# Altium PCB PCB1.PcbDoc (part 1 of 3) (continued)
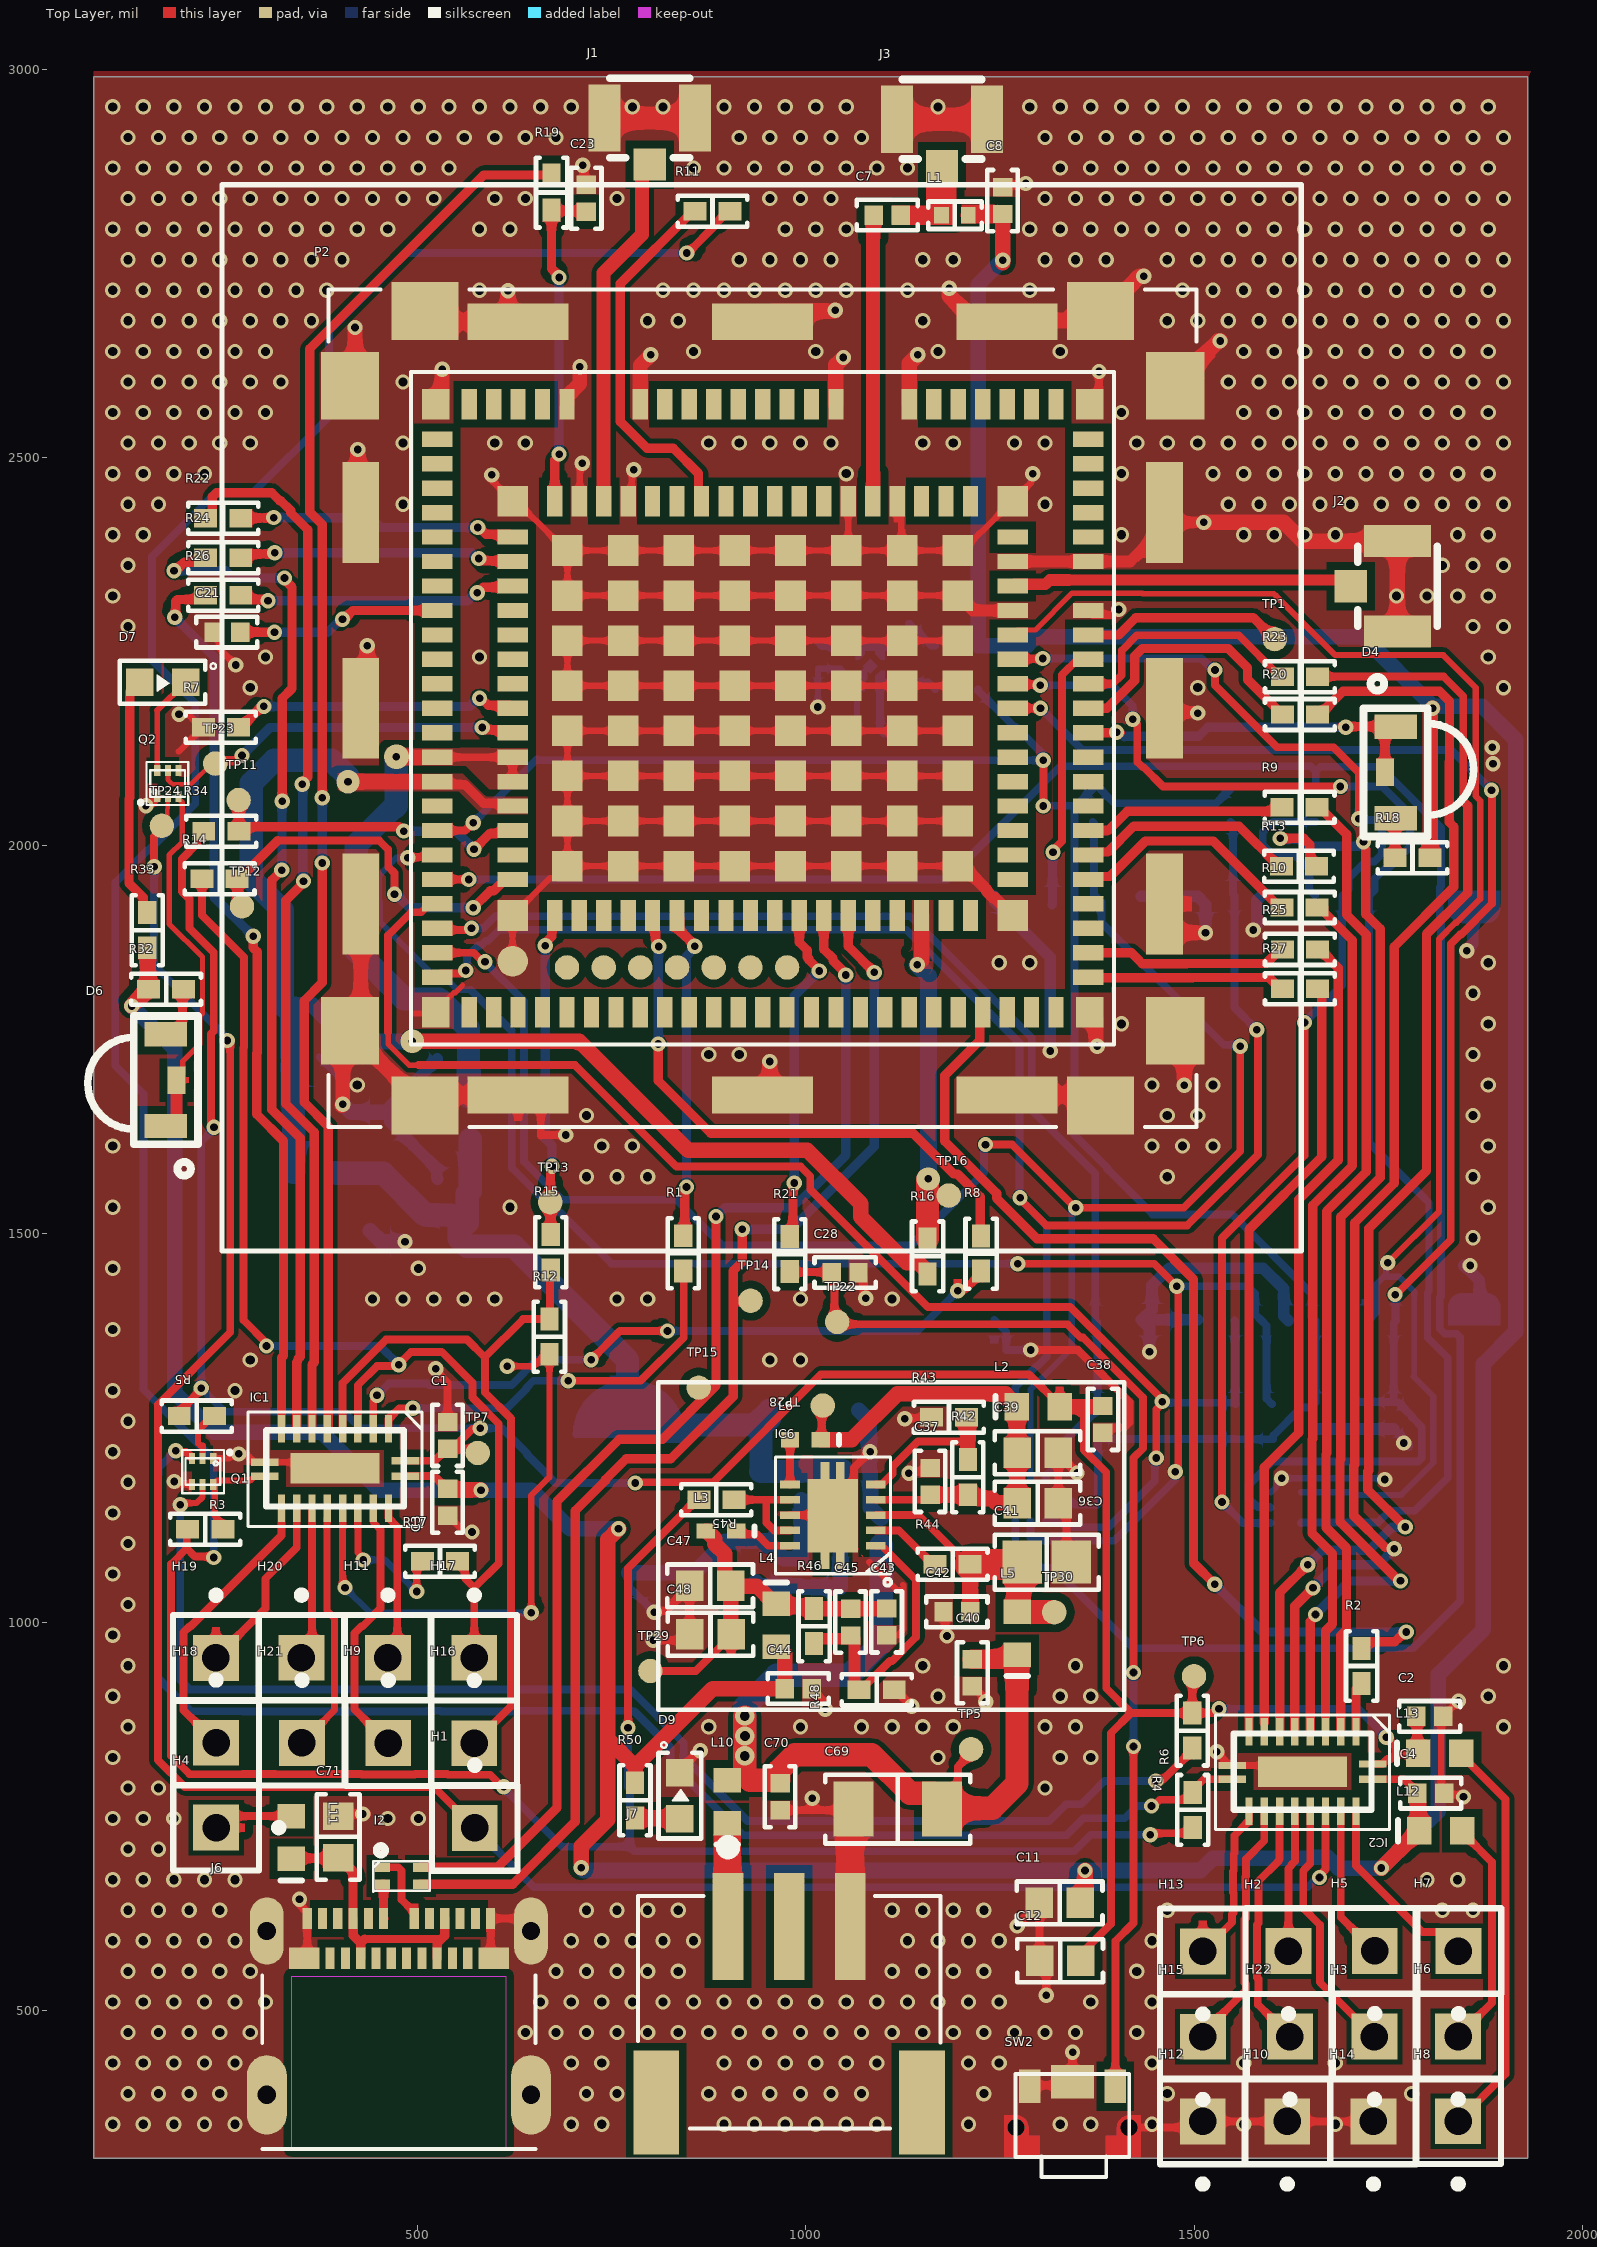
[diagram p0: Top Layer view]
## Design rules (kind name [scope] priority, off if disabled: settings) (continued)
PolygonConnect PolygonConnect_21 [All vs IsNamedPolygon('GND-Top')] p21: thpad.connectstyle=Direct thpad.reliefconductorwidth=10 thpad.reliefentries=4 thpad.polygonreliefangle="90 Angle" thpad.airgapwidth=10 smdpad.connectstyle=Direct smdpad.reliefconductorwidth=10 smdpad.reliefentries=4 smdpad.polygonreliefangle="90 Angle" smdpad.airgapwidth=10 via.connectstyle=Relief via.reliefconductorwidth=10 via.reliefentries=4 via.polygonreliefangle="90 Angle" via.airgapwidth=10
PolygonConnect PolygonConnect_20 [All vs IsNamedPolygon('GND-Top')] p22: thpad.connectstyle=Direct thpad.reliefconductorwidth=10 thpad.reliefentries=4 thpad.polygonreliefangle="90 Angle" thpad.airgapwidth=10 smdpad.connectstyle=Direct smdpad.reliefconductorwidth=10 smdpad.reliefentries=4 smdpad.polygonreliefangle="90 Angle" smdpad.airgapwidth=10 via.connectstyle=Relief via.reliefconductorwidth=10 via.reliefentries=4 via.polygonreliefangle="90 Angle" via.airgapwidth=10
PolygonConnect PolygonConnect_19 [All vs IsNamedPolygon('GND-Top')] p23: thpad.connectstyle=Direct thpad.reliefconductorwidth=10 thpad.reliefentries=4 thpad.polygonreliefangle="90 Angle" thpad.airgapwidth=10 smdpad.connectstyle=Direct smdpad.reliefconductorwidth=10 smdpad.reliefentries=4 smdpad.polygonreliefangle="90 Angle" smdpad.airgapwidth=10 via.connectstyle=Relief via.reliefconductorwidth=10 via.reliefentries=4 via.polygonreliefangle="90 Angle" via.airgapwidth=10
PolygonConnect PolygonConnect_18 [All vs IsNamedPolygon('Top Layer-VBATBB_2')] p24: thpad.connectstyle=Direct thpad.reliefconductorwidth=10 thpad.reliefentries=4 thpad.polygonreliefangle="90 Angle" thpad.airgapwidth=10 smdpad.connectstyle=Direct smdpad.reliefconductorwidth=10 smdpad.reliefentries=4 smdpad.polygonreliefangle="90 Angle" smdpad.airgapwidth=10 via.connectstyle=Relief via.reliefconductorwidth=10 via.reliefentries=4 via.polygonreliefangle="90 Angle" via.airgapwidth=10
PolygonConnect PolygonConnect_17 [All vs IsNamedPolygon('Top Layer-VBATBB_2')] p25: thpad.connectstyle=Direct thpad.reliefconductorwidth=10 thpad.reliefentries=4 thpad.polygonreliefangle="90 Angle" thpad.airgapwidth=10 smdpad.connectstyle=Direct smdpad.reliefconductorwidth=10 smdpad.reliefentries=4 smdpad.polygonreliefangle="90 Angle" smdpad.airgapwidth=10 via.connectstyle=Relief via.reliefconductorwidth=10 via.reliefentries=4 via.polygonreliefangle="90 Angle" via.airgapwidth=10
PolygonConnect PolygonConnect_16 [All vs IsNamedPolygon('GND-Bottom')] p26: connectstyle=Direct reliefconductorwidth=10 reliefentries=4 polygonreliefangle="90 Angle" airgapwidth=10
PolygonConnect PolygonConnect_15 [All vs IsNamedPolygon('GND-Bottom')] p27: connectstyle=Direct reliefconductorwidth=10 reliefentries=4 polygonreliefangle="90 Angle" airgapwidth=10
PolygonConnect PolygonConnect_14 [All vs IsNamedPolygon('GND-Bottom')] p28: connectstyle=Direct reliefconductorwidth=10 reliefentries=4 polygonreliefangle="90 Angle" airgapwidth=10
PolygonConnect PolygonConnect_13 [All vs IsNamedPolygon('GND-Bottom')] p29: connectstyle=Direct reliefconductorwidth=10 reliefentries=4 polygonreliefangle="90 Angle" airgapwidth=10
PolygonConnect PolygonConnect_12 [All vs IsNamedPolygon('VBATT_RF')] p30: connectstyle=Direct reliefconductorwidth=10 reliefentries=4 polygonreliefangle="90 Angle" airgapwidth=10
PolygonConnect PolygonConnect_11 [All vs IsNamedPolygon('VBATT_BB')] p31: connectstyle=Direct reliefconductorwidth=10 reliefentries=4 polygonreliefangle="90 Angle" airgapwidth=10
PolygonConnect PolygonConnect_10 [All vs IsNamedPolygon('Top Layer-VBATT_RF')] p32: connectstyle=Direct reliefconductorwidth=10 reliefentries=4 polygonreliefangle="90 Angle" airgapwidth=10
PolygonConnect PolygonConnect_9 [All vs IsNamedPolygon('Top Layer-VBATT_BB')] p33: connectstyle=Direct reliefconductorwidth=10 reliefentries=4 polygonreliefangle="90 Angle" airgapwidth=10
PolygonConnect PolygonConnect_8 [All vs IsNamedPolygon('Top Layer-VBATT_BB')] p34: connectstyle=Direct reliefconductorwidth=10 reliefentries=4 polygonreliefangle="90 Angle" airgapwidth=10
PolygonConnect PolygonConnect_7 [All vs IsNamedPolygon('Top Layer-VBATT_RF')] p35: thpad.connectstyle=Direct thpad.reliefconductorwidth=10 thpad.reliefentries=4 thpad.polygonreliefangle="90 Angle" thpad.airgapwidth=10 smdpad.connectstyle=Direct smdpad.reliefconductorwidth=10 smdpad.reliefentries=4 smdpad.polygonreliefangle="90 Angle" smdpad.airgapwidth=10 via.connectstyle=Relief via.reliefconductorwidth=10 via.reliefentries=4 via.polygonreliefangle="90 Angle" via.airgapwidth=10
PolygonConnect PolygonConnect_6 [All vs IsNamedPolygon('Top Layer-VBATT_RF')] p36: connectstyle=Direct reliefconductorwidth=10 reliefentries=4 polygonreliefangle="45 Angle" airgapwidth=10
PolygonConnect PolygonConnect_5 [All vs IsNamedPolygon('Top Layer-VBATT_RF')] p37: connectstyle=Direct reliefconductorwidth=10 reliefentries=4 polygonreliefangle="90 Angle" airgapwidth=10
PolygonConnect PolygonConnect_4 [All vs IsNamedPolygon('Top Layer-VBATT_RF')] p38: connectstyle=Direct reliefconductorwidth=10 reliefentries=4 polygonreliefangle="90 Angle" airgapwidth=10
PolygonConnect VBATT_RF [All vs IsNamedPolygon('Top Layer-VBATT_RF')] p39: connectstyle=Direct reliefconductorwidth=10 reliefentries=4 polygonreliefangle="90 Angle" airgapwidth=10
PolygonConnect PolygonConnect_3 [All vs IsNamedPolygon('Top Layer-VBATT_RF')] p40: thpad.connectstyle=Direct thpad.reliefconductorwidth=10 thpad.reliefentries=4 thpad.polygonreliefangle="90 Angle" thpad.airgapwidth=10 smdpad.connectstyle=Direct smdpad.reliefconductorwidth=10 smdpad.reliefentries=4 smdpad.polygonreliefangle="90 Angle" smdpad.airgapwidth=10 via.connectstyle=Relief via.reliefconductorwidth=10 via.reliefentries=4 via.polygonreliefangle="90 Angle" via.airgapwidth=10
PolygonConnect PolygonConnect_2 [All vs IsNamedPolygon('Top Layer-VBATT_RF')] p41: connectstyle=Direct reliefconductorwidth=10 reliefentries=4 polygonreliefangle="90 Angle" airgapwidth=10
PolygonConnect PolygonConnect_1 [All vs IsNamedPolygon('Top Layer-VBATT_RF')] p42: thpad.connectstyle=Direct thpad.reliefconductorwidth=10 thpad.reliefentries=4 thpad.polygonreliefangle="90 Angle" thpad.airgapwidth=10 smdpad.connectstyle=Relief smdpad.reliefconductorwidth=10 smdpad.reliefentries=4 smdpad.polygonreliefangle="90 Angle" smdpad.airgapwidth=10 via.connectstyle=Relief via.reliefconductorwidth=10 via.reliefentries=4 via.polygonreliefangle="90 Angle" via.airgapwidth=10
PolygonConnect [All] p43: connectstyle=Relief reliefconductorwidth=10 reliefentries=4 polygonreliefangle="90 Angle" airgapwidth=10
RoutingVias [All] p1: holewidth=11.81 width=19.68 viastyle="Through Hole" minholewidth=11.81 minwidth=19.68 maxholewidth=20 maxwidth=40
SilkToSilkClearance [All] p1: silktosilkclearance=5
SolderMaskExpansion [All] p1: expansion=4
UnpouredPolygon [All] p1: allowunpoured=TRUE allowshelved=TRUE
Width [All] p1: maxlimit=50 minlimit=6 preferedwidth=10 bottomlayer_maxwidth=30 minimp=50.000000 maximp=50.000000 favimp=50.000000
27 further rules are at their usual default settings.

## Classes and differential pairs
component class Sheet7: C69 C70 C71 D9 I2 J7 L10 R50 TP5
component class Sheet5: C36 C37 C38 C39 C40 C41 C42 C43 C44 C45 C47 C48 C49 C50 C51 C55 C56 C57 C58 C59 C60 C61 C64 C65 IC6 L2 L3 L4 L5 L6 L7 L8 L9 R42 R43 R44 R45 R46 R48 R49 TP28 TP29 TP30 TP31 TP32 TP33
component class Sheet4: C30 C33 C34 C35 D8 IC5 J4 L14 L15 R34 R36 R37 R38 R39 R40 R41 TP25 TP26 TP27 U1
component class Sheet3: *1 C28 D6 D7 Q2 R21 R32 R33 SW2 TP22 TP23 TP24
component class Sheet2: C21 C23 D4 R7 R11 R14 R15 R16 R18 TP1 TP11 TP12 TP13 TP14 TP15 TP16
component class Sheet1: C1 C2 C3 C4 C7 C8 C11 C12 H1 H2 H3 H4 H5 H6 H7 H8 H9 H10 H11 H12 H13 H14 H15 H16 H17 H18 H19 H20 H21 H22 IC1 IC2 J1 J2 J3 L1 L11 L12 L13 Q1 R1 R2 R3 R4 R5 R6 R8 R9 R10 R12 R13 R17 R19 R20 R22 R23 R24 R25 R26 R27 TP6 TP7

## Components (designator, comment, footprint, x,y, rotation, side; value= is the part's Value field where it differs from the comment)
C1 "Cap Semi" "CAP 0402/1005" 538.32,1240.4 r90 top value=100nF
C2 "Cap Semi" "CAP 0402/1005" 1803.32,878.6 r0 top value=100nF
C3 "Cap Semi" "CAP 0402/1005" 538.32,1154.47 r270 top value=100nF
C4 "Cap Semi" "CAP 0402/1005" 1804.68,779.6 r0 top value=100nF
C7 "Cap Semi" "CAP 0402/1005" 1104.68,2812.2 r180 top value=15pF
C8 "Cap Semi" "CAP 0402/1005" 1253.2,2830.92 r90 top value=22pF
C11 "Cap Semi" "CAP 0603/1608" 1326.86,638.31 r0 top value=10uF
C12 "Cap Semi" "CAP 0603/1608" 1327.5,563.83 r0 top value=10uF
C21 "Cap Semi" "CAP 0402/1005" 254.11,2274.95 r0 top value=22pF
C23 "Cap Semi" "CAP 0402/1005" 717,2834 r270 top value=22pF
C28 "Cap Semi" "CAP 0402/1005" 1050.4,1450.2 r180 top value=100nF
C30 "Cap Semi" "CAP 0402/1005" 1757.14,1265.96 r270 bottom value=100nF
C33 "Cap Semi" "CAP 0402/1005" 1656.34,1265.96 r90 bottom value=100nF
C34 "Cap Semi" "CAP 0402/1005" 1083.11,2144.44 r0 bottom value=1uF
C35 "Cap Semi" "CAP 0402/1005" 1015.31,2245.24 r90 bottom value=1uF
C36 "Cap Semi" "CAP 0603/1608" 1298.41,1153.23 r180 top value=22uF
C37 "Cap Semi" "CAP 0402/1005" 1159.94,1181.16 r270 top value=100nF
C38 "Cap Semi" "CAP 0402/1005" 1382.4,1261 r90 top value=100nF
C39 "Cap Semi" "CAP 0603/1608" 1298.41,1218.19 r180 top value=22uF
C40 "Cap Semi" "CAP 0402/1005" 1214.2,934.68 r90 top value=100nF
C41 "Cap Semi" "CAP 0805/2012" 1310.23,1077.24 r180 top value=10uF
C42 "Cap Semi" "CAP 0402/1005" 1194.4,1013.2 r0 top value=100nF
C43 "Cap Semi" "CAP 0402/1005" 1104,1000.2 r90 top value=100nF
C44 "Cap Semi" "CAP 0402/1005" 990.14,914.28 r180 top value=100nF
C45 "Cap Semi" "CAP 0402/1005" 1057.4,1000 r90 top value=56pF
C47 "Cap Semi" "CAP 0603/1608" 876.63,1046.6 r0 top value=22uF
C48 "Cap Semi" "CAP 0603/1608" 877.03,984.4 r0 top value=22uF
C49 "Cap Semi" "CAP 1206/3216" 496.07,1503.94 r0 bottom value=47uF
C50 "Cap Semi" "CAP 0402/1005" 545.92,1572.6 r0 bottom value=100nF
C51 "Cap Semi" "CAP 0402/1005" 542.32,1725.8 r0 bottom value=100nF
C55 "Cap Pol3" F720J158MMC 771.81,1063.51 r90 bottom value=1.5mF
C56 "Cap Semi" "CAP 0402/1005" 994.25,1062.45 r270 bottom value=100nF
C57 "Cap Semi" "CAP 0402/1005" 1097.01,1116.39 r270 bottom value=100nF
C58 "Cap Semi" "CAP 0603/1608" 935.2,1078.2 r270 bottom value=10uF
C59 "Cap Semi" "CAP 1206/3216" 1010.79,1273.08 r180 bottom value=47uF
C60 "Cap Semi" "CAP 0402/1005" 1063.94,1194.73 r180 bottom value=100nF
C61 "Cap Semi" "CAP 0402/1005" 993.86,1175.05 r90 bottom value=100nF
C64 "Cap Semi" "CAP 1206/3216" 406.7,1654.33 r180 bottom value=47uF
C65 "Cap Semi" "CAP 0402/1005" 355.4,1728.4 r180 bottom value=100nF
C69 "Cap Semi" "CAP 1206/3216" 1118.22,759.08 r0 top value=47uF
C70 "Cap Semi" "CAP 0402/1005" 966.6,775 r90 top value=100nF
C71 "Cap Semi" "CAP 0603/1608" 397.34,723.31 r270 top value=10uF
D4 "LED_3_PIN" LED_3_PIN 1800.92,2098.34 r270 top
D6 "LED_3_PIN" LED_3_PIN 134.08,1694.06 r90 top
D7 "LED2" "LED_0603 - 3D" 170.73,2210.41 r0 top
D8 "ESD Suppressors / TVS Diodes Low Capacitance TVS Diode ArraySource:  Datasheet" SON50P100X145X65-6N 1618,1147.4 r180 bottom
D9 "LED2" "LED_0603 - 3D" 837.8,775.8 r90 top
H1 "Header 1" PIN1-3D 573.4,734.8 r0 top
H2 "Header 1" PIN1-3D 1621.4,576.2 r180 top
H3 "Header 1" PIN1-3D 1732.2,466 r180 top
H4 "Header 1" PIN1-3D 240.2,735.2 r270 top
H5 "Header 1" PIN1-3D 1732.6,576.4 r180 top
H6 "Header 1" PIN1-3D 1840,466.2 r180 top
H7 "Header 1" PIN1-3D 1840.4,576.2 r180 top
H8 "Header 1" PIN1-3D 1840,357 r180 top
H9 "Header 1" PIN1-3D 462,844.2 r0 top
H10 "Header 1" PIN1-3D 1619.98,356.8 r180 top
H11 "Header 1" PIN1-3D 461.6,954 r0 top
H12 "Header 1" PIN1-3D 1510.98,356.8 r180 top
H13 "Header 1" PIN1-3D 1511.2,575.8 r180 top
H14 "Header 1" PIN1-3D 1730.98,356.8 r180 top
H15 "Header 1" PIN1-3D 1511.2,465.8 r180 top
H16 "Header 1" PIN1-3D 572.8,844 r0 top
H17 "Header 1" PIN1-3D 572.8,954 r0 top
H18 "Header 1" PIN1-3D 240.2,844.6 r0 top
H19 "Header 1" PIN1-3D 240,953.8 r0 top
H20 "Header 1" PIN1-3D 350.2,954 r0 top
H21 "Header 1" PIN1-3D 350.8,844.4 r0 top
H22 "Header 1" PIN1-3D 1623.4,466 r180 top
I2 "Inductor_TCM1210-900-2P-T000" Inductor_TCM1210-900-2P-T000 454.4,684.05 r270 top
IC1 "" DQFN-20 393.33,1197.86 r180 top
IC2 "" DQFN-20 1639.6,807.4 r180 top
IC5 "" RSE0008A 1289.34,1156.89 r270 bottom
IC6 "TPS62420QDRCRQ1" "SON50P300X300X100-11N - 3D" 1034.32,1077.96 r180 top
J1 "UFL SMT PCB" "U.FL-R-SMT-1(10) - 3D" 798.8,2937.2 r180 top
J2 "UFL SMT PCB" "U.FL-R-SMT-1(10) - 3D" 1761.8,2334.2 r90 top
J3 "UFL SMT PCB" "U.FL-R-SMT-1(10) - 3D" 1175.27,2935.6 r180 top
J4 "104168-1620" "Molex_104168-1620_MFG - 3D" 1547.72,1662.04 r270 bottom
J6 "105450-0101" *MOLEX_105450-0101 475.72,469.74 r0 top
J7 "S3B-PH-SM4-TB(LF)(SN)" *JST_S3B-PH-SM4-TB(LF)(SN) 978.34,607.78 r180 top
L1 "Inductor" "IND 0402/1005 RF WW" 1191.8,2812 r180 top value=47nH
L2 "Inductor" INDC1608L 1299.14,1277.49 r0 top value=0H
L3 "Inductor" 0402-A 890.6,1117.2 r180 top value=2.2uH
L4 "Inductor" INDC1608L 961.6,995.8 r270 top value=0H
L5 "Inductor" INDC1608L 1271.94,985.49 r90 top value=0H
L6 "Inductor" 0402-A 999.14,1234.89 r180 top value=2.2uH
L7 "Inductor" INDC1608L 565.2,1649 r90 bottom value=0H
L8 "Inductor" INDC1608L 1071.81,1045.13 r180 bottom value=0H
L9 "Inductor" INDC1608L 367.14,1579.13 r180 bottom value=0H
L10 "Inductor" INDC1608L 898.6,768.6 r90 top value=0H
L11 "Inductor" INDC1608L 336.74,722.49 r90 top value=0H
L12 "Inductor" INDC1608L 1817.6,731.2 r0 top value=0H
L13 "Inductor" INDC1608L 1816.4,830.8 r0 top value=0H
L14 "Inductor" INDC1608L 1194.16,2257.84 r0 bottom value=0H
L15 "Inductor" INDC1608L 1194.16,2201.44 r0 bottom value=0H
P2 "WP_SNAP-IN_BASE" *SIERRA_WP_SNAP-IN_BASE_WP_SNAP-IN_BASE(Primary) 944.17,2177.02 r0 top
Q1 "NSBC114YDP6T5G" NSBC114YDP6T5G 236.58,1177.14 r180 top
Q2 "NSBC114YDP6T5G" NSBC114YDP6T5G 164.42,2096.86 r0 top
R1 "Res1" "RES 0402/1005" 842,1474.96 r90 top value="0 Ohm"
R2 "Res1" "RES 0402/1005" 1715.6,943.4 r90 top value="0 Ohm"
R3 "Res1" "RES 0402/1005" 226.2,1119.4 r180 top value=820k
R4 "Res1" "RES 0402/1005" 1498.4,758 r270 top value=820k
R5 "Res1" "RES 0402/1005" 215.4,1265.4 r0 top value="0 Ohm"
R6 "Res1" "RES 0402/1005" 1497.4,860.24 r270 top value="0 Ohm"
R7 "Res1" "RES 0402/1005" 246.36,2152.6 r180 top value="0 Ohm"
R8 "Res1" "RES 0402/1005" 1225.51,1474.59 r90 top value="0 Ohm"
R9 "Res1" "RES 0402/1005" 1635.8,2049.6 r180 top value="0 Ohm"
R10 "Res1" "RES 0402/1005" 1635.84,1920.4 r180 top value="0 Ohm"
R11 "Res1" "RES 0402/1005" 879.6,2817.2 r180 top value="0 Ohm"
R12 "DNI" "RES 0402/1005" 669.6,1367.56 r270 top value="0 Ohm"
R13 "Res1" "RES 0402/1005" 1635.04,1973.4 r180 top value="0 Ohm"
R14 "Res1" "RES 0402/1005" 244.67,1957.35 r180 top value="0 Ohm"
R15 "Res1" "RES 0402/1005" 671.31,1476.35 r270 top value="0 Ohm"
R16 "Res1" "RES 0402/1005" 1156.6,1470.96 r90 top value="0 Ohm"
R17 "DNI" "RES 0402/1005" 528.6,1078.2 r180 top value="0 Ohm"
R18 "Res1" "RES 0402/1005" 1781.24,1984.6 r0 top value=820
R19 "Res1" "RES 0402/1005" 672.31,2841.31 r270 top value="0 Ohm"
R20 "Res1" "RES 0402/1005" 1636.24,2169 r180 top value="0 Ohm"
R21 "Res1" "RES 0402/1005" 979.11,1473.99 r90 top value=100
R22 "Res1" "RES 0402/1005" 249.31,2421.75 r0 top value="0 Ohm"
R23 "Res1" "RES 0402/1005" 1636.24,2217.8 r180 top value="0 Ohm"
R24 "Res1" "RES 0402/1005" 249.31,2370.95 r0 top value="0 Ohm"
R25 "Res1" "RES 0402/1005" 1636.24,1866.35 r180 top value="0 Ohm"
R26 "Res1" "RES 0402/1005" 249.31,2322.55 r0 top value="0 Ohm"
R27 "Res1" "RES 0402/1005" 1636.24,1815.95 r180 top value="0 Ohm"
R32 "Res1" "RES 0402/1005" 175.8,1815.2 r180 top value=820
R33 "Res1" "RES 0402/1005" 151.6,1891.2 r270 top value=820
R34 "Res1" "RES 0402/1005" 246.91,2018.75 r0 top value=100k
R36 "Res1" "RES 0402/1005" 1600.14,1258.09 r270 bottom value=47k
R37 "Res1" "RES 0402/1005" 1377.74,1258.09 r270 bottom value=47k
R38 "Res1" "RES 0402/1005" 1553.34,1258.09 r270 bottom value=47k
R39 "Res1" "RES 0402/1005" 1546.74,2053.25 r90 bottom value=47k
R40 "Res1" "RES 0402/1005" 1369.34,2053.25 r90 bottom value=47k
R41 "Res1" "RES 0402/1005" 1656.74,2053.25 r90 bottom value=33
R42 "Res1" "RES 0402/1005" 1208.6,1186.6 r90 top value=360k
R43 "Res1" "RES 0402/1005" 1184.2,1263.8 r0 top value=180k
R44 "Res1" "RES 0402/1005" 1188.8,1074.4 r180 top value=10k
R45 "Res1" "RES 0402/1005" 884.6,1157.4 r180 top value=51k
R46 "Res1" "RES 0402/1005" 1010.4,994.8 r90 top value=820k
R48 "Res1" "RES 0402/1005" 1091.04,913 r180 top value=180k
R49 "Res1" "RES 0402/1005" 1044.65,1121.11 r90 bottom value="0 Ohm"
R50 "Res1" "RES 0402/1005" 779.8,770.44 r90 top value=820
SW2 "Switch_SKTDLDE010" Switch_SKTDLDE010 1342.2,363.99 r180 top
TP1 "TestPoint" TestPoint 1603.76,2266.15 r90 top
TP5 "TestPoint" TestPoint 1212.6,836.2 r90 top
TP6 "TestPoint" TestPoint 1499.8,930.2 r270 top
TP7 "TestPoint" TestPoint 577.4,1217.8 r90 top
TP11 "TestPoint" TestPoint 269.2,2058.8 r90 top
TP12 "TestPoint" TestPoint 273.6,1921.8 r90 top
TP13 "TestPoint" TestPoint 670.51,1540.75 r90 top
TP14 "TestPoint" TestPoint 928.6,1414 r90 top
TP15 "TestPoint" TestPoint 861.8,1302 r90 top
TP16 "TestPoint" TestPoint 1183.8,1549.4 r90 top
TP22 "TestPoint" TestPoint 1040.11,1386.55 r90 top
TP23 "TestPoint" TestPoint 239.2,2105.8 r90 top
TP24 "TestPoint" TestPoint 170.4,2025.6 r90 top
TP25 "TestPoint" TestPoint 1710.2,1286.2 r0 bottom
TP26 "TestPoint" TestPoint 1374.54,1150.49 r0 bottom
TP27 "TestPoint" TestPoint 1132.6,2286 r0 bottom
TP28 "TestPoint" TestPoint 1021.74,1278.89 r270 top
TP29 "TestPoint" TestPoint 799.6,937 r270 top
TP30 "TestPoint" TestPoint 1319.94,1012.69 r270 top
TP31 "TestPoint" TestPoint 529,1663 r270 bottom
TP32 "TestPoint" TestPoint 941.89,1193.95 r270 bottom
TP33 "TestPoint" TestPoint 337.53,1775.14 r0 bottom
U1 "Part Number: XC6223H29B9R-G" USPQ-4B03 1082.72,2231.14 r90 bottom value=Value

## Footprints (in the part's own frame and the unit in brackets; to place one, negate y for a bottom-side part, rotate by r counter-clockwise, add the part's x,y. Pads: shape width x height; smd on the part's side, far side on the other; paste and mask are expansions set on the pad)
0402-A [mm] "Chip Inductor, Body 1.0x0.5mm, IPC High Density"
  rect 0.6x0.5 smd: 1(-0.5,0) 2(0.5,0)
  silkscreen extent -1.1,-0.15 -1.1,0.15, body extent -0.55,-0.3 0.55,0.3, height 0.55
*JST_S3B-PH-SM4-TB(LF)(SN) [mm]
  rect 1x3.5 smd: 1(2,0) 2(0,0) 3(-2,0)
  rect 1.5x3.4 smd: P1(-4.35,5.75) P2(4.35,5.75)
  silkscreen extent -4.95,-2.8 4.95,6.6, body extent -4.95,-1.51 4.95,7.09, height 4.8
*MOLEX_105450-0101 [mm]
  rect 0.3x0.7 smd: A1(-3,3.77) A2(-2.5,3.77) A3(-2,3.77) A4(-1.5,3.77) A5(-1,3.77) A6(-0.5,3.77) A7(0.5,3.77) A8(1,3.77) A9(1.5,3.77) A10(2,3.77) A11(2.5,3.77) A12(3,3.77) B2(2.25,2.47) B3(1.75,2.47) B4(1.25,2.47) B5(0.75,2.47) B6(0.25,2.47) B7(-0.25,2.47) B8(-0.75,2.47) B9(-1.25,2.47) B10(-1.75,2.47) B11(-2.25,2.47)
  rect 1x0.7 smd: B1(3.1,2.47) B12(-3.1,2.47)
  oval 1.1x2.2 hole 0.6: S1(-4.32,3.36) S2(4.32,3.36)
  oval 1.3x2.6 hole 0.6: S3(-4.32,-2) S4(4.32,-2)
  Keep-Out Layer region: -3.501,1.88 3.5,1.88 3.5,-3.771 -3.501,-3.771
  Keep-Out Layer region: -3.502,1.88 3.5,1.88 3.5,-3.773 -3.502,-3.773
  Keep-Out Layer region: -3.501,1.88 3.5,1.88 3.5,-3.771 -3.501,-3.771
  Keep-Out Layer region: -3.502,1.88 3.5,1.88 3.5,-3.773 -3.502,-3.773
  Keep-Out Layer region: -3.501,1.88 3.5,1.88 3.5,-3.771 -3.501,-3.771
  Keep-Out Layer region: -3.502,1.88 3.5,1.88 3.5,-3.773 -3.502,-3.773
  silkscreen extent -4.47,-3.77 4.47,1.9, body extent -6.2,-3.56 5.94,4.54, height 3.58
*SIERRA_WP_SNAP-IN_BASE_WP_SNAP-IN_BASE(Primary) [mm]
  rect 0.5x1 smd: 1(-6.8,-6.78) 2(-6,-6.78) 3(-5.2,-6.78) 4(-4.4,-6.78) 5(-3.6,-6.78) 6(-2.8,-6.78) 7(-2,-6.78) 8(-1.2,-6.78) 9(-0.4,-6.78) 10(0.4,-6.78) 11(1.2,-6.78) 12(2,-6.78) 13(2.8,-6.78) 14(3.6,-6.78) 15(4.4,-6.78) 16(5.2,-6.78) 17(6,-6.78) 18(6.8,-6.78) 34(6.8,6.78) 35(6,6.78) 36(5.2,6.78) 37(4.4,6.78) 38(3.6,6.78) 39(2.8,6.78) 40(2,6.78) 41(1.2,6.78) 42(0.4,6.78) 43(-0.4,6.78) 44(-1.2,6.78) 45(-2,6.78) 46(-2.8,6.78) 47(-3.6,6.78) 48(-4.4,6.78) 49(-5.2,6.78) 50(-6,6.78) 51(-6.8,6.78) 71(-9.6,-9.95) 72(-8.8,-9.95) 73(-8,-9.95) 74(-7.2,-9.95) 75(-6.4,-9.95) 76(-5.6,-9.95) 77(-4.8,-9.95) 78(-4,-9.95) 79(-3.2,-9.95) 80(-2.4,-9.95) 81(-1.6,-9.95) 82(-0.8,-9.95) 83(0,-9.95) 84(0.8,-9.95) 85(1.6,-9.95) 86(2.4,-9.95) 87(3.2,-9.95) 88(4,-9.95) 89(4.8,-9.95) 90(5.6,-9.95) 91(6.4,-9.95) 92(7.2,-9.95) 93(8,-9.95) 94(8.8,-9.95) 95(9.6,-9.95) 119(9.6,9.95) 120(8.8,9.95) 121(8,9.95) 122(7.2,9.95) 123(6.4,9.95) 124(5.6,9.95) 125(4.8,9.95) 128(2.4,9.95) 129(1.6,9.95) 130(0.8,9.95) 131(0,9.95) 132(-0.8,9.95) 133(-1.6,9.95) 134(-2.4,9.95) 135(-3.2,9.95) 136(-4,9.95) 139(-6.4,9.95) 140(-7.2,9.95) 141(-8,9.95) 142(-8.8,9.95) 143(-9.6,9.95)
  rect 1x0.5 smd: 19(8.18,-5.6) 20(8.18,-4.8) 21(8.18,-4) 22(8.18,-3.2) 23(8.18,-2.4) 24(8.18,-1.6) 25(8.18,-0.8) 26(8.18,0) 27(8.18,0.8) 28(8.18,1.6) 29(8.18,2.4) 30(8.18,3.2) 31(8.18,4) 32(8.18,4.8) 33(8.18,5.6) 52(-8.18,5.6) 53(-8.18,4.8) 54(-8.18,4) 55(-8.18,3.2) 56(-8.18,2.4) 57(-8.18,1.6) 58(-8.18,0.8) 59(-8.18,0) 60(-8.18,-0.8) 61(-8.18,-1.6) 62(-8.18,-2.4) 63(-8.18,-3.2) 64(-8.18,-4) 65(-8.18,-4.8) 66(-8.18,-5.6) 96(10.65,-8.8) 97(10.65,-8) 98(10.65,-7.2) 99(10.65,-6.4) 100(10.65,-5.6) 101(10.65,-4.8) 102(10.65,-4) 103(10.65,-3.2) 104(10.65,-2.4) 105(10.65,-1.6) 106(10.65,-0.8) 107(10.65,0) 108(10.65,0.8) 109(10.65,1.6) 110(10.65,2.4) 111(10.65,3.2) 113(10.65,4.8) 114(10.65,5.6) 115(10.65,6.4) 116(10.65,7.2) 117(10.65,8) 118(10.65,8.8) 144(-10.65,8.8) 145(-10.65,8) 146(-10.65,7.2) 147(-10.65,6.4) 148(-10.65,5.6) 149(-10.65,4.8) 150(-10.65,4) 151(-10.65,3.2) 152(-10.65,2.4) 153(-10.65,1.6) 154(-10.65,0.8) 155(-10.65,0) 156(-10.65,-0.8) 157(-10.65,-1.6) 158(-10.65,-2.4) 159(-10.65,-3.2) 160(-10.65,-4) 161(-10.65,-4.8) 162(-10.65,-5.6) 163(-10.65,-6.4) 164(-10.65,-7.2) 165(-10.65,-8) 166(-10.65,-8.8)
  rect 1x1 smd: 67(-8.18,-6.78) 68(8.18,-6.78) 69(8.18,6.78) 70(-8.18,6.78) 171(-6.388,-5.162) 172(-6.388,-3.688) 173(-6.388,-2.213) 174(-6.388,-0.737) 175(-6.388,0.737) 176(-6.388,2.213) 177(-6.388,3.688) 178(-6.388,5.162) 179(-4.563,5.162) 180(-2.738,5.162) 181(-0.913,5.162) 182(0.913,5.162) 183(2.738,5.162) 184(4.563,5.162) 185(6.388,5.162) 186(6.388,3.688) 187(6.388,2.213) 188(6.388,0.737) 189(6.388,-0.737) 190(6.388,-2.213) 191(6.388,-3.688) 192(6.388,-5.162) 193(4.563,-5.162) 194(2.738,-5.162) 195(0.913,-5.162) 196(-0.913,-5.162) 197(-2.738,-5.162) 198(-4.563,-5.162) 199(-4.563,-3.688) 200(-4.563,-2.213) 201(-4.563,-0.737) 202(-4.563,0.737) 203(-4.563,2.213) 204(-4.563,3.688) 205(-2.738,3.688) 206(-0.913,3.688) 207(0.913,3.688) 208(2.738,3.688) 209(4.563,3.688) 210(4.563,2.213) 211(4.563,0.737) 212(4.563,-0.737) 213(4.563,-2.213) 214(4.563,-3.688) 215(2.738,-3.688) 216(0.913,-3.688) 217(-0.913,-3.688) 218(-2.738,-3.688) 219(-2.738,-2.213) 220(-2.738,-0.737) 221(-2.738,0.737) 222(-2.738,2.213) 223(-0.913,2.213) 224(0.913,2.213) 225(2.738,2.213) 226(2.738,0.737) 227(2.738,-0.737) 228(2.738,-2.213) 229(0.913,-2.213) 230(-0.913,-2.213) 231(-0.913,-0.737) 232(-0.913,0.737) 233(0.913,0.737) 234(0.913,-0.737)
  rect 0.9x1 smd: 167(-10.7,-9.95) 168(10.7,-9.95) 169(10.7,9.95) 170(-10.7,9.95)
  round 0.8 smd: 236(-6.4,-8.48) 237(-5.2,-8.48) 238(-4,-8.48) 239(-2.8,-8.48) 240(-1.6,-8.48) 241(-0.4,-8.48) 242(0.8,-8.48)
  rect 2.2x1.9 smd: P1(-11.05,-13) P2(11.05,-13) P5(11.05,13) P6(-11.05,13)
  rect 1.9x2.2 smd: P3(13.5,-10.55) P4(13.5,10.55) P7(-13.5,10.55) P8(-13.5,-10.55)
  rect 3.3x1.2 smd: P9(-8,-12.65) P10(0,-12.65) P11(8,-12.65) P15(8,12.65) P16(0,12.65) P17(-8,12.65)
  rect 1.2x3.3 smd: P12(13.15,-6.4) P13(13.15,0) P14(13.15,6.4) P18(-13.15,6.4) P19(-13.15,0) P20(-13.15,-6.4)
  round 1 smd: PM1(-8.18,-8.275)
  silkscreen extent -14.2,-13.7 14.2,13.7, body extent -14.22,-13.72 14.22,13.72, height 0.25
"CAP 0402/1005" [mm] "Chip Capacitor, 2-Leads, Body 1.02x0.51mm, IPC Medium Density"
  rect 0.6x0.64 smd: 1(-0.44,0) 2(0.44,0)
  silkscreen extent -1,-0.5 1,0.5, body extent -0.5,-0.26 0.5,0.26, height 0.52
"CAP 0603/1608" [mm] "Chip Capacitor, 2-Leads, Body 1.60x0.80mm, IPC Medium Density"
  rect 0.9x1 smd: 1(-0.675,0) 2(0.675,0)
  silkscreen extent -1.4,-0.7 1.4,0.7, body extent -0.8,-0.41 0.8,0.41, height 0.82
"CAP 0805/2012" [mm] "Chip Capacitor, 2-Leads, Body 2.00x1.20mm, IPC Medium Density"
  rect 1.3x1.4 smd: 1(-0.8,0) 2(0.8,0)
  silkscreen extent -1.7,-0.9 1.7,0.9, body extent -1,-0.64 1,0.64, height 1.26
"CAP 1206/3216" [mm] "Chip Capacitor, 2-Leads, Body 3.25x1.60mm, IPC Medium Density"
  rect 1.3x1.8 smd: 1(-1.45,0) 2(1.45,0)
  silkscreen extent -2.37,-1.12 2.37,1.12, body extent -1.6,-0.81 1.6,0.81, height 1.62
DQFN-20 [mm]
  rect 0.9x0.24 smd: 1(-2.3,-0.25) 10(2.3,-0.2) 11(2.3,0.25) 20(-2.3,0.25)
  rect 0.24x0.9 smd: 2(-1.75,-1.3) 3(-1.25,-1.3) 4(-0.75,-1.3) 5(-0.25,-1.3) 6(0.25,-1.3) 7(0.75,-1.3) 8(1.25,-1.3) 9(1.75,-1.3) 12(1.75,1.3) 13(1.25,1.3) 14(0.75,1.3) 15(0.25,1.3) 16(-0.25,1.3) 17(-0.75,1.3) 18(-1.25,1.3) 19(-1.75,1.3)
  rect 2.9x1 smd: 21(0,0)
  silkscreen extent -2.85,-1.85 2.85,1.9, body extent -2.29,-1.27 2.29,1.27, height 0.51
F720J158MMC [mm]
  rrect50% 1.8x6.1 smd: 1(4.623,0)
  rect 1.6x6.1 smd: 2(0,0)
  Top Layer region: 5.448,0.559 6.452,0.559 6.452,-0.629 5.448,-0.629
  Top Layer region: 4.413,-1.789 4.413,1.767 4.393,1.775 4.379,1.792 4.374,1.813 4.381,1.834 4.396,1.85 4.417,1.856 4.417,1.856 5.229,1.697 5.89,1.199 6.268,0.463 6.287,-0.364 5.943,-1.116 5.305,-1.643 4.501,-1.839 4.501,-1.839 4.484,-1.835 4.471,-1.823 4.465,-1.806 4.467,-1.789 4.467,-1.789
  Top Layer lines w0.051: 4.8,-1.81 4.791,-1.81 4.791,-1.772 4.71,-1.772 4.71,0 4.71,1.771 4.716,1.771 ; 4.8,1.809 4.801,1.809 ; 4.8,1.809 4.715,1.809 4.8,1.809
  silkscreen extent -1,-3.28 7.33,3.22, body extent -2.54,-1.73 7.29,1.7, height 0.25
"IND 0402/1005 RF WW" [mm] "Chip Inductor, 2-Leads, Body 1.00x0.50mm, IPC High Density"
  rect 0.48x0.54 smd: 1(-0.44,0) 2(0.44,0)
  silkscreen extent -0.87,-0.45 0.87,0.45, body extent -0.5,-0.29 0.5,0.29, height 0.51
INDC1608L [mm] "Chip Inductor, Body 1.6x0.8mm, IPC High Density"
  rect 0.8x0.9 smd: 1(-0.7,0) 2(0.7,0)
  silkscreen extent -1.4,-0.35 -1.4,0.35, body extent -0.87,-0.48 0.87,0.48, height 0.55
Inductor_TCM1210-900-2P-T000 [mm]
  rect 0.3x0.5 smd mask+0.03: 1(0,0) 2(0.55,0) 3(0.55,1.25) 4(0,1.25)
  silkscreen extent -0.7,-0.3 0.8,1.55, body extent -0.2,-0.15 0.76,1.42, height 0.25
LED_3_PIN [mm]
  rect 0.8x1.4 smd: 1(-1.4,-1.05) 2(1.6,-1.05)
  rect 0.9x0.6 smd: 3(0.1,-1.4)
  silkscreen extent -3.02,-2.1 2.2,1.5, body extent -2,-2.1 2.2,1.5, height 0.25
"LED_0603 - 3D" [mm]
  rect 0.9x0.9 smd: 1(-0.74,0.01) 2(0.77,0.01)
  silkscreen extent -1.39,-0.69 1.76,0.71, body extent -0.78,-0.4 0.82,0.4, height 0.28
"Molex_104168-1620_MFG - 3D" [mm]
  round 0.945 smd paste+0 mask+0: G1(-6.58,-7.95) G8(6.58,-8.275)
  rect 1.05x1.34 smd paste+0 mask+0: G2(-6.925,1.1) G7(6.925,1.1)
  rect 1.05x1.94 smd paste+0 mask+0: G3(-6.925,2.94) G6(6.925,2.94)
  rect 1.05x1.8 smd paste+0 mask+0: G4(-6.925,7.75) G5(6.925,7.75)
  rect 1x0.68 smd paste+0 mask+0: S1(6.95,-5.39) S2(6.95,-4.51) S3(-6.95,-4.51) S4(-6.95,-5.39) S5(6.95,-1.87) S6(6.95,-3.63) S7(-6.95,-3.63) S8(-6.95,-1.87) T1(6.95,4.45) T2(6.95,-0.11) T3(6.95,-0.99) T4(6.95,-2.75) T5(-6.95,-2.75) T6(-6.95,-0.99) T7(-6.95,-0.11) T8(-6.95,4.45)
  rect 1.2x0.7 smd paste+0 mask+0: S/W(-6.65,5.865)
  Top Layer region: 7.105,-8.8 6.505,-8.8 6.333,-8.766 6.187,-8.668 6.089,-8.522 6.055,-8.35 6.055,-8.35 6.055,-7.55 6.089,-7.378 6.187,-7.232 6.333,-7.134 6.505,-7.1 6.505,-7.1 7.105,-7.1
  Top Layer region: -7.105,-7.1 -6.505,-7.1 -6.333,-7.134 -6.187,-7.232 -6.089,-7.378 -6.055,-7.55 -6.055,-7.55 -6.055,-8.35 -6.115,-8.575 -6.28,-8.74 -6.505,-8.8 -6.505,-8.8 -7.105,-8.8
  silkscreen extent -7.62,-9.4 8.27,9.53, body extent -7.05,-9.16 7.05,9.14, height 2.28
NSBC114YDP6T5G [mm]
  rect 0.2x0.35 smd mask+0.03: 1(0,-0.85) 2(0.35,-0.85) 3(0.7,-0.85) 4(0.7,0) 5(0.35,0) 6(0,0)
  silkscreen extent -0.6,-1.13 1.01,0.28, body extent -0.21,-0.84 0.89,0, height 0.25
PIN1-3D [mm]
  rect 1.5x1.5 hole 0.9: 1(0,0)
  silkscreen extent -1.4,-1.4 1.4,2.17, body extent -1.27,-1.27 1.27,1.27, height 9.5
"RES 0402/1005" [mm] "Chip Resistor, 2-Leads, Body 1.0x0.5mm, IPC Medium Density"
  rect 0.75x0.6 smd: 1(-0.575,0) 2(0.575,0)
  silkscreen extent -1.14,-0.51 1.14,0.51, body extent -0.5,-0.25 0.5,0.25, height 0.35
RSE0008A [mm]
  rect 0.55x0.25 smd: 1(-0.675,0.5) 3(-0.675,-0.5) 5(0.675,-0.5) 7(0.675,0.5)
  rect 0.55x0.2 smd: 2(-0.675,0) 6(0.675,0)
  rect 0.3x0.6 smd: 4(0,-0.65) 8(0,0.65)
  silkscreen extent -1.23,0.48 -1.16,0.55
SON50P100X145X65-6N [mil]
  rect 29.53x11.81 smd: 1(-19.69,19.69) 2(-19.69,0) 3(-19.69,-19.69) 4(19.69,-19.69) 5(19.69,0) 6(19.69,19.69)
  silkscreen extent -43,-40 43,50, body extent -20,-30 20,30, height 10
"SON50P300X300X100-11N - 3D" [mm]
  rect 0.65x0.25 smd: 1(-1.41,-0.52) 2(-1.41,-1.02) 3(-1.41,-1.52) 4(-1.41,-2.02) 5(-1.41,-2.52) 6(1.39,-2.52) 7(1.39,-2.019) 8(1.39,-1.52) 9(1.39,-1.02) 10(1.39,-0.52)
  rect 1.651x2.4 smd: 11(0,-1.5)
  rect 0.28x0.55 smd: ""(-0.25,-0.025) ""(-0.25,-2.975) ""(0.25,-0.025) ""(0.25,-2.975)
  Top Layer region: -0.83,-0.3
  silkscreen extent -1.91,-3.42 1.88,0.79, body extent -1.65,-3.15 1.6,0.15, height 0.51
Switch_SKTDLDE010 [mm]
  rect 0.7x1.1 smd mask+0.05: 1(1.369,-0.969) 2(-1.431,-0.969)
  rect 1.4x1.1 smd mask+0.05: 3(-0.031,-1.119)
  round 0.55 hole 0.55 mask+0.03: 4(1.819,0.381)
  round 0.524 hole 0.55 mask+0.03: 5(-1.881,0.381)
  Multi-Layer region: 2.2,1.377 2.2,-0.023 1.81,-0.023 1.655,0.009 1.525,0.099 1.439,0.231 1.41,0.387 1.41,0.387 1.41,0.657 1.05,0.657 1.05,1.377
  Multi-Layer region: -1.116,1.374 -1.116,0.657 -1.476,0.657 -1.476,0.38 -1.479,0.38 -1.511,0.225 -1.601,0.095 -1.733,0.009 -1.889,-0.02 -1.889,-0.02 -1.889,-0.023 -2.266,-0.023 -2.266,1.374
  Multi-Layer pour cut-out: -2.644,1.08
  silkscreen extent -1.89,-1.37 1.83,2
TestPoint [mm]
  round 0.8 smd mask+0.05: 1(0,0)
"U.FL-R-SMT-1(10) - 3D" [mm]
  rect 1.05x2.2 smd: 1(-1.475,0) 2(1.475,0)
  rect 1.05x1.05 smd: 3(0,1.525)
  silkscreen extent -1.3,-1.3 1.3,1.3, body extent -1.48,-1.55 1.52,1.55, height 1.25
USPQ-4B03 [mil]
  rect 1x1 smd paste+0 mask+0: 1(-20.5,12.8) 2(-20.5,-12.8) 3(20.5,-12.8) 4(20.5,12.8) 5(0,0)
  Top Layer region: 9.5,0 0,9.5 -9.5,0 0,-9.5
  Top Layer region: 8.5,18.8 32.5,18.8 32.5,6.8 15.5,6.8 8.5,13.8
  Top Layer region: 15.5,-6.8 32.5,-6.8 32.5,-18.8 8.5,-18.8 8.5,-13.8
  Top Layer region: -15.5,-6.8 -32.5,-6.8 -32.5,-18.8 -8.5,-18.8 -8.5,-13.8
  Top Layer region: -5.5,18.8 -32.5,18.8 -32.5,6.8 -12.5,6.8 -5.5,13.8
  silkscreen extent -60,-35 50,35, body extent -40,-45 30,45, height 13